# Altium PCB PCB1_wGraphics.PcbDoc (part 2 of 2)
Units mil, origin at the board's own origin, x right, y up, seen from the top; angles counter-clockwise.
Board outline 5095 x 2755 mil, 4 copper layers (Top Layer, Power3V3, GroundGND, Bottom Layer), stack 23.756 mil thick; 96 components, 127 nets, 451 pads, 232 vias.
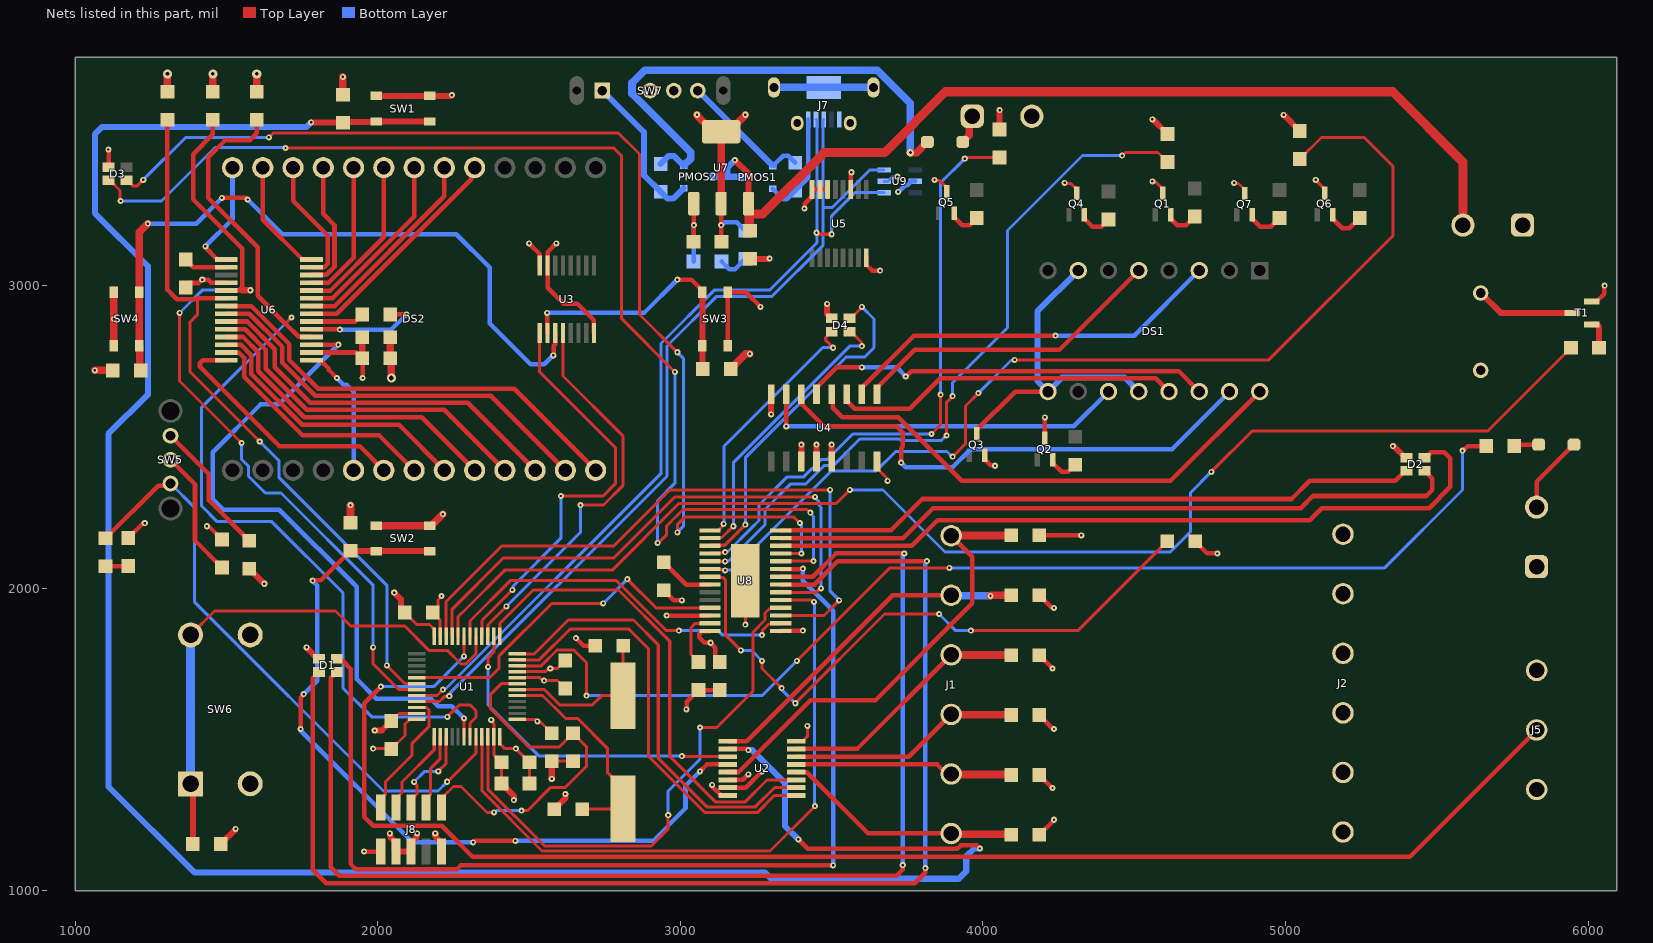
[diagram p4: the nets of this part, all layers, seen from the top]

## Via types
v1: diameter 20, hole 8, Top Layer to Bottom Layer, tented both sides, 222 vias
v2: diameter 160, hole 126, Top Layer to Bottom Layer, 4 vias
v3: diameter 30, hole 12, Top Layer to Bottom Layer, tented both sides, 3 vias
v4: diameter 30, hole 15, Top Layer to Bottom Layer, tented both sides, 1 vias
v5: diameter 20, hole 8, Top Layer to Bottom Layer, 1 vias
v6: diameter 25, hole 10, Top Layer to Bottom Layer, tented both sides, 1 vias

## Nets (pads, with @x,y where several pads share a name; then routed paths per layer and width w, separated by ;. In a path a pad name is that pad's centre, name@x,y a point inside that pad or via, vN(x,y) a via of type N, cw(c..) or ccw(c..) an arc to the next point about the centre after c; other vN are vias at no path point) (continued)
+3V3: C2.2 C3.2 C8.2 C9.2 C10.2 C11.2 C12.2 C13.2 C14.1 C15.2 D1.1 D2.1 D3.1 D4.1 D7.1 D8.1 D9.1 D11.1 D12.1 J5.1 J8.6 LS1.P Q3.2 R1.2 R2.2 R3.2 R4.2 R5.2 R6.2 R7.2 R8.2 R9.2 R10.2 R15.2 R18.2 R19.2 R20.2 R26.1 R27.2 U1.1 U1.9 U1.24 U1.36 U1.48 U2.16 U3.16 U4.3 U4.4 U4.5 U4.16 U5.3 U5.16 U6.2 U7.2 U7.4 U8.26 U8.28 U9.5 | length 4619.8
  Top Layer w10: v1(1985,1470) 2043.74,1470 C12.2@2045,1468.74 2090,1513.74 2090,1551.23 2105.5,1566.73 U1.36@2129,1566.73 ; C15.2@2088.74,1920 2128.74,1880 2171.23,1880 2186.73,1864.5 U1.24@2186.73,1841 ; U1.48@2403.27,1509 2403.27,1485.5 2403.77,1485 2405,1485 2420,1470 v1(2456.26,1470) C10.2@2501.26,1425 C13.2@2501.26,1355 ; U1.1@2461,1566.73 2520.56,1566.73 2529.21,1558.09 2538.17,1558.09 C11.2@2575,1521.26 ; U1.9@2461,1724.21 2553.8,1724.21 2564.59,1735 2593.74,1735 C14.1@2620,1761.26 ; U2.16@3382.99,1494.57 3405.83,1494.57 3408.9,1497.64 3408.9,1499.66 3420,1510.76 v1(3420,1545)
  Top Layer w15: v1(1110,3450) 1110.24,3449.76 1110.24,3391.89 D3.1@1110.47,3391.65 ; U6.2@1781,2779.25 1929.49,2779.25 C3.2@1948.74,2760 1950,2758.74 v1(1950,2695) ; v1(1955,1130) J8.6@2010,1130 ; v1@2500.96,3139.04 2535.43,3104.57 U3.16@2535.43,3066 ; D7.1@2945,1993.74 2977.78,1960.96 3004.04,1960.96 v1(3005,1960) ; v1(2955,1910) 2955.08,1909.92 3097.92,1909.92 U8.26@3098,1909.84 ; U8.28@3098,1858.66 3071,1858.66 3062.55,1850.21 3062.55,1837.45 3080,1820 v1(3100,1820) 3100,1818.65 3114.86,1803.78 3114.86,1771.4 C9.2@3130,1756.26 ; U7.2@3135,3271.3 v1(3135,3200) 3135,3146.26 C8.2@3136.26,3145 ; U5.3@3563.39,3317.99 3563.39,3372.03 3565,3373.65 v1(3565,3375) ; U5.16@3614.57,3092.01 3615.14,3091.44 3615.14,3068.6 3633.74,3050 v1(3660,3050) ; Q3.2@4005.59,2439.5 4005.59,2426.5 4026.13,2405.96 4039.04,2405.96 v1(4040,2405) ; R3.2@4186.26,1185 4235,1233.74 v1(4235,1235) ; R6.2@4186.26,1383 4229.26,1340 v1(4230,1340) ; R5.2@4186.26,1581 4231.3,1535.96 4234.04,1535.96 v1(4235,1535) ; R4.2@4186.26,1779 4230,1735.26 v1(4230,1735) ; R2.2@4186.26,1977 4227.3,1935.96 4234.04,1935.96 v1(4235,1935) ; R1.2@4186.26,2175 v1(4325,2175) ; D8.1@4701.26,2155 4741.26,2115 v5(4775,2115)
  Top Layer w20: R27.2@1481.26,1155 1530,1203.74 v1(1530,1205) ; R15.2@1575,2065 v1(1625,2015) ; v1(1765,1805) 1765,1803.19 1795.79,1772.4 1799.72,1772.4 D1.1@1805.47,1766.65 ; C3.2@1948.74,2760 C2.2@1948.74,2830 ; v1(2054.44,1985.56) 2076.1,1963.9 2076.1,1932.64 C15.2@2088.74,1920 ; v1(3300,2575) U4.16@3300,2641.25 ; U4.3@3400,2418.75 v1(3400,2475) ; U4.4@3450,2418.75 v1(3450,2475) ; v1(3485,2940) 3485,2907.13 3490.79,2901.34 3490.79,2897.4 3496.54,2891.65 D4.1@3500.47,2891.65 ; U4.5@3500,2418.75 v1(3500,2475) ; D12.1@4055,3516.26 v1(4055,3580) ; v1(4560,3550) 4561.26,3550 D11.1@4610,3501.26 ; v1(4994.06,3564.7) D9.1@5047.5,3511.26 ; v1(5355,2470) 5358.19,2470 5396.54,2431.65 D2.1@5400.47,2431.65
  Top Layer w25: v1(1065,2720) R10.2@1123.74,2720 ; R19.2@1305,3641.26 v3(1305,3700) ; R20.2@1455,3641.26 v3(1455,3700) ; R18.2@1600,3641.26 v3(1600,3700) ; R7.2@1885,3631.26 v1(1885,3690) ; R8.2@1910,2216.26 v1(1910,2275) ; v1(3055,3565) 3055,3564.09 3110.39,3508.7 U7.4@3135,3508.7 ; U7.2@3135,3271.3 U7.4@3135,3508.7 ; R9.2@3166.26,2725 3216.26,2775 v1(3230,2775) ; v1(3215,3565) 3215,3564.09 3159.61,3508.7 U7.4@3135,3508.7
  Bottom Layer w15: v1(3135,3200) 3136.29,3200 3146.29,3210 3186.26,3210 R26.1@3215,3181.26 ; v1(3720,3310) 3721.35,3310 3743.52,3332.17 3750.67,3332.17 3763.5,3345 U9.5@3776.25,3345
  other v1: 2527.29,1560 2570,1735 2500,3140
ADC1_CH5_FakeBatt: R31.2 U1.10 | length 3768.2
  Top Layer w10: U1.10@2461,1743.9 2540.3,1743.9 2592.3,1795.9 2647.61,1795.9 2690,1753.51 v1(2690,1645) ; v1(3385,1760) 3692.74,2067.74 v1(3888.89,2067.74)
  Top Layer w15: v1(5585,2455) 5587.71,2455 5602.71,2470 R31.2@5663.74,2470
  Bottom Layer w10: v1(2690,1645) 3270,1645 3330.99,1705.99 v1(3385,1760) ; v1(3888.89,2067.74) 5327.74,2067.74 5585,2325 v1(5585,2455)
Button_Down: R8.1 SW2.1 SW2.2 U2.4 | length 2666.9
  Top Layer w15: v1(1745,1535) 1745,1638.65 1755,1648.65 v1(1755,1650) ; v1(1785,2025) 1785.96,2025.96 1812.22,2025.96 1909.47,2123.21 R8.1@1910.53,2123.21 ; v1(2315,1160) 2316.35,1160 2321.35,1165 v1(2455,1165) ; v1(3065,1395) 3065.37,1395 3088.17,1417.8 U2.4@3157.01,1417.8
  Top Layer w20: R8.1@1910.53,2123.21 1994.18,2123.21 SW2.2@1994.71,2122.68 SW2.1@2171.87,2122.68
  Bottom Layer w15: v1(1745,1535) 1745.96,1534.04 1745.96,1529.4 2115.35,1160 v1(2315,1160) ; v1(1755,1650) 1799.5,1694.5 1799.5,2009.15 1785,2023.65 v1(1785,2025) ; v1(2455,1165) 2909.65,1165 3017.1,1272.45 3017.1,1347.1 v1(3065,1395)
Button_Left: R10.1 SW4.1 SW4.2 U3.3 | length 2298.7
  Top Layer w15: v1(1485,3290) 1563.65,3290 1568.65,3285 v1(1570,3285) ; v1(2580,2770) 2580.96,2770.96 2580.96,2800.96 2586.11,2806.11 2586.11,2843.5 U3.3@2586.61,2844
  Top Layer w25: R10.1@1216.26,2720 1213.82,2722.44 1213.82,2799.92 SW4.2@1212.32,2801.42 SW4.1@1212.32,2978.58 1212.32,3177.32 v1(1240,3205)
  Bottom Layer w15: v1(1240,3205) 1400,3205 v1(1485,3290) ; v1(1570,3285) 1685,3170 2260,3170 2370,3060 2370,2875 2505,2740 2550,2740 v1(2580,2770)
Button_Right: R9.1 SW3.1 SW3.2 U3.2 | length 899.1
  Top Layer w15: v1(2560,2910) 2560.52,2909.48 2560.52,2844.5 U3.2@2561.02,2844 ; v1(2990,3020) 3036.76,3020 3072.68,2984.08 SW3.2@3072.68,2978.58
  Top Layer w20: SW3.2@3072.68,2978.58 SW3.1@3072.68,2801.42 3073.21,2800.89 3073.21,2725.53 R9.1@3073.74,2725
  Bottom Layer w15: v1(2560,2910) 2880,2910 v1(2990,3020)
Button_Up: R7.1 SW1.1 SW1.2 U2.2 | length 7545.4
  Top Layer w15: U2.2@3157.01,1468.98 3219.67,1468.98 3223.65,1465 v1(3225,1465) ; v1(3390,1170) 3420.55,1139.45 3915.71,1139.45 3926.26,1150 3980,1150 v1(3990,1140)
  Top Layer w20: v1(1780,3540) 1781.26,3538.74 R7.1@1885,3538.74 1886.97,3540.71 1992.74,3540.71 SW1.2@1994.71,3542.68 SW1.1@2171.87,3542.68
  Bottom Layer w20: v1(1780,3540) 1765,3525 1090,3525 1065,3500 1065,3240 1240,3065 1240,2640 1110,2510 1110,1345 1395,1060 3280,1060 3300,1040 3920,1040 3945,1065 3945,1114.29 3970.71,1140 v1(3990,1140) ; v1(3225,1465) 3238.18,1465 3345.59,1357.59 3345.59,1214.41 v1(3390,1170)
Countdown_LED_B: D4.2 U8.17 | length 1151.7
  Top Layer w10: U8.17@3098,2140.16 3100,2142.16 3146.49,2142.16 3214.41,2210.08 v1(3214.92,2210.08) ; D4.2@3559.53,2891.65 3563.46,2891.65 3600,2928.19 v1(3600,2930)
  Bottom Layer w10: v1(3214.92,2210.08) 3214.92,2431.04 3548.89,2765 3610,2765 3640,2795 3640,2890 v1(3600,2930)
Countdown_LED_G: D4.3 U8.16 | length 955.2
  Top Layer w10: U8.16@3098,2165.75 3100,2167.75 3137.75,2167.75 v1(3175,2205) ; D4.3@3559.53,2848.35 3563.46,2848.35 3598.09,2813.72 3598.09,2801.91 v1(3600,2800)
  Bottom Layer w10: v1(3175,2205) 3175,2415.15 3559.85,2800 v1(3600,2800)
Countdown_LED_R: D4.4 U8.15 | length 883.5
  Top Layer w10: U8.15@3098,2191.34 3126,2191.34 3141.17,2206.51 3141.17,2211.09 v1(3143.09,2213) ; D4.4@3500.47,2848.35 3496.54,2848.35 3485.79,2837.6 3485.79,2833.66 3480.21,2828.08 3480.21,2819.79 v1(3505,2795)
  Bottom Layer w10: v1(3143.09,2213) 3145,2214.91 3145,2470 3470,2795 v1(3505,2795)
Dramatic_LED1: D8.2 U8.21 | length 2074.6
  Top Layer w10: U8.21@3098,2037.8 3099.46,2036.33 3139.75,2036.33 3150,2026.09 3150,1845 v1(3200,1795) ; v1(3270,1760) 3270,1735 v1(3335,1670) ; v1(3380,1620) 3675,1915 v1(3855,1915) ; v1(3960,1860) 4313.74,1860 D8.2@4608.74,2155
  Bottom Layer w10: v1(3200,1795) 3235,1795 v1(3270,1760) ; v1(3335,1670) 3336.91,1668.09 3336.91,1663.09 v1(3380,1620) ; v1(3855,1915) 3910,1860 v1(3960,1860)
Dramatic_LED2: D7.2 U8.22 | length 183.7
  Top Layer w15: D7.2@2945,2086.26 3019.06,2012.2 U8.22@3098,2012.2
GND: C1.1 C2.1 C3.1 C4.1 C5.2 C6.2 C7.1 C8.1 C9.1 C10.1 C11.1 C12.1 C13.1 C14.2 C15.1 D10.2 J2.1 J2.2 J2.3 J2.4 J2.5 J2.6 J3.2 J4.1 J5.3 J6.1 J7.1 J7.6 J7.7 J7.8 J7.9 J7.10 J8.7 J8.8 J8.10 Q1.3 Q2.3 Q4.3 Q5.3 Q6.3 Q7.3 R21.2 R22.1 R23.1 R25.2 SW1.3 SW1.4 SW2.3 SW2.4 SW3.3 SW3.4 SW4.3 SW4.4 SW6.3 SW6.4 SW7.2 SW7.3 T1.2 U1.8 U1.23 U1.35 U1.47 U2.6 U2.7 U2.8 U3.8 U3.15 U4.8 U5.6 U5.7 U5.8 U6.5 U6.18 U7.1 U8.1 U8.29 U9.2 | length 5493
  Top Layer w10: C12.1@2045,1561.26 2070.16,1586.42 U1.35@2129,1586.42 ; U1.23@2206.42,1841 2206.42,1894.84 C15.1@2181.26,1920 2198.9,1937.64 2198.9,1961.04 2210.56,1972.7 v1(2210.56,1974.44) ; v1(2375,1565) 2375,1562.29 2383.58,1553.71 2383.58,1450.16 C10.1@2408.74,1425 C13.1@2408.74,1355 ; U1.8@2461,1704.53 2535.06,1704.53 2544.59,1695 2593.74,1695 C14.2@2620,1668.74 ; C11.1@2575,1428.74 C1.1@2645,1428.74 ; v1(3215,1880) U8.29@3215,2025 ; U4.8@3650,2418.75 3650,2397 3683.09,2363.91 3683.09,2356.91 v1(3685,2355) ; v1(3840,3350) 3841.91,3348.09 3855.41,3348.09 3880,3323.5 Q5.3@3880,3310.5 ; v1(4270,3340) 4271.91,3338.09 4290.41,3338.09 4310,3318.5 Q4.3@4310,3305.5 ; v1(4560,3345) 4561.91,3343.09 4570.41,3343.09 4595,3318.5 Q1.3@4595,3305.5 ; v1(4830,3340) 4831.91,3338.09 4844.91,3338.09 4865,3318 Q7.3@4865,3305 ; v1(5100,3350) 5100,3348.5 5130,3318.5 Q6.3@5130,3305.5
  Top Layer w15: R22.1@1175,2166.26 1222.78,2214.04 1229.04,2214.04 v1(1230,2215) ; C6.2@1365,2993.74 1380.14,3008.88 1407.53,3008.88 1418.65,3020 v1(1420,3020) 1440,3020 1449.93,3010.07 1498.5,3010.07 U6.18@1499,3009.57 ; v1(1435,2205) 1435.96,2204.04 1442.22,2204.04 R21.2@1485,2161.26 ; U6.5@1781,2856.02 1781.5,2855.52 1874.48,2855.52 v1(1875,2855) ; R23.1@2041.26,2905 v1(2095,2905) ; v1(2590,3140) 2561.52,3111.52 2561.52,3066.5 U3.15@2561.02,3066 2561.52,3065.5 2561.52,2993.48 2615,2940 2660,2940 2714.57,2885.43 U3.8@2714.57,2844 ; v1(2655,1835) 2680,1810 C5.2@2718.74,1810 ; v1(3020,1600) 3020.96,1600.96 3020.96,1624.7 R25.2@3060,1663.74 C9.1@3130,1663.74 ; C8.1@3043.74,3145 3045,3146.26 v1(3045,3200) 3044.72,3200.28 3044.72,3271.02 U7.1@3044.45,3271.3 ; v1(3105,1350) 3105.96,1349.04 3105.96,1343.65 3134.17,1315.43 U2.8@3157.01,1315.43 ; U2.7@3157.01,1341.02 3216.02,1341.02 v1(3270,1395) ; U2.6@3157.01,1366.61 3206.61,1366.61 v1(3225,1385) ; SW3.3@3157.32,2801.42 SW3.4@3157.32,2978.58 3216.42,2978.58 v1(3265,2930) ; U8.1@3332,1858.66 3332.5,1859.16 3404.16,1859.16 v1(3405,1860) ; v1(3410,3255) 3410.96,3255.96 3410.96,3270.68 3435.43,3295.16 U5.8@3435.43,3317.99 U5.7@3461.02,3317.99 U5.6@3486.61,3317.99 ; Q2.3@4205,2495.5 v1(4205,2565) ; T1.2@6012.5,2947.75 6028,2947.75 6054.04,2973.79 6054.04,2999.04 v1(6055,3000)
  Top Layer w20: v1(1990,1530) 2013.74,1530 C12.1@2045,1561.26 ; SW1.4@1994.71,3627.32 2242.32,3627.32 v1(2245,3630) ; v1(2040,1190) 2040,1182.54 2042,1180.54 2042,1176.5 2055,1163.5 2055,1135 J8.7@2060,1130 J8.8@2110,1130 2115,1135 2115,1163.5 2128,1176.5 2128,1180.54 2130,1182.54 v1(2130,1190) ; v1(2190,1190) 2190,1182.54 2192,1180.54 2192,1176.5 2205,1163.5 2205,1135 J8.10@2210,1130 ; C13.1@2408.74,1355 2450,1313.74 v1(2450,1300) ; v1(2575,1370) C11.1@2575,1428.74 ; C4.1@2583.74,1270 2620,1306.26 v1(2620,1320) ; C7.1@3230,3088.74 3293.74,3088.74 v1(3295,3090)
  Top Layer w25: SW4.4@1127.68,2801.42 v1(1127.68,2890) SW4.3@1127.68,2978.58 SW4.3@1127.68,2984.08 ; SW2.4@1994.71,2207.32 SW2.3@2171.87,2207.32 2177.37,2207.32 2215,2244.95 v1(2215,2245) ; C2.1@2041.26,2830 C3.1@2041.26,2760 2044.04,2757.22 2044.04,2695.96 v4(2045,2695)
  Bottom Layer w10: U9.2@3673.75,3345 3686.5,3345 3701.5,3360 v1(3717.29,3360)
  Bottom Layer w15: v1(1875,2855) 2045,2855 v1(2095,2905) ; D10.2@3043.74,3080 3045,3081.26 v1(3045,3200)
  Bottom Layer w25: J7.8@3309.45,3655.32 J7.10@3473.82,3655.32 J7.9@3638.19,3655.32
  other v1: 2550,1695
LEDDriver_BLANK: U1.18 U8.2 | length 1232.9
  Top Layer w10: U1.18@2304.84,1841 2304.84,1892.14 2437.71,2025 2540,2025 2789.04,2025 2954.04,1860 v1(2995,1860) ; v1(3270,1845) 3271.91,1846.91 3271.91,1861.91 3292.25,1882.25 3330,1882.25 U8.2@3332,1884.25
  Bottom Layer w10: v1(2995,1860) 3125,1860 3140,1845 v1(3270,1845)
LEDDriver_GSCLK: U1.29 U8.25 | length 1166.5
  Top Layer w10: U1.29@2129,1704.53 2369.53,1704.53 2400,1735 2400,1775.15 2574.85,1950 v1(2745,1950) ; v1(2825,2030) 2919.57,1935.43 U8.25@3098,1935.43
  Bottom Layer w10: v1(2745,1950) v1(2825,2030)
LEDDriver_MODE: U1.21 U8.6 | length 1891.6
  Top Layer w10: U1.21@2245.79,1841 2245.79,1930.79 2415,2100 2595,2100 2780,2100 2982,2302 v1(3445,2302) ; U8.6@3332,1986.61 3448.91,1986.61 3462.29,2000 v1(3465,2000)
  Bottom Layer w10: v1(3445,2302) 3445,2299.29 3459,2285.29 3459,2273.57 3465,2267.57 v1(3465,2000)
LEDDriver_SCLK: U1.46 U8.4 | length 1807.2
  Top Layer w10: U1.46@2363.9,1509 2363.9,1336.18 2551.58,1148.5 2903.5,1148.5 2960,1205 v1(2960,1250) ; v1(3065,1540) 3120,1540 3240,1660 3240,1855 3280,1895 3280,1918.23 3295.21,1933.43 3330,1933.43 U8.4@3332,1935.43
  Bottom Layer w10: v1(2960,1250) 2960,1330 3065,1435 v1(3065,1540)
LEDDriver_SIN: U1.45 U8.5 | length 2211.7
  Top Layer w10: U1.45@2344.21,1509 2344.21,1330.41 2543.12,1131.5 3296.5,1131.5 v1(3445,1280) ; U8.5@3332,1961.02 3432.8,1961.02 3439,1954.82 v1(3441.71,1954.82)
  Bottom Layer w10: v1(3441.71,1954.82) 3443.35,1953.18 3443.35,1281.65 v1(3445,1280)
LEDDriver_XLAT: U1.22 U8.3 | length 2128
  Top Layer w10: U1.22@2226.1,1841 2226.1,1956.1 2410,2140 2645,2140 2780,2140 2965,2325 v1(3495,2325) ; U8.3@3332,1909.84 3474.84,1909.84 v1(3525,1960)
  Bottom Layer w10: v1(3495,2325) 3495,1990 v1(3525,1960)
LPTIM1_Buzzer: R28.1 U1.20 | length 4356.7
  Top Layer w10: U1.20@2265.47,1841 2265.47,1905.47 2295,1935 2420,2060 2540,2060 2775,2060 2995,2280 3515,2280 v1(3560,2325) ; v1(4755,2385) 4890,2520 5668.74,2520 R28.1@5943.74,2795
  Bottom Layer w10: v1(3560,2325) 3670,2325 3875,2120 4619.14,2120 4686.11,2186.97 4686.11,2316.11 v1(4755,2385)
Matrix_LED_G: D3.3 U8.11 | length 3743.3
  Top Layer w10: D3.3@1169.53,3348.35 1173.46,3348.35 1184.21,3337.6 1184.21,3335.86 1190.07,3330 1205,3330 v1(1225,3350) ; v1(1640,3490) 1654.1,3504.1 1912.61,3504.1 1913.51,3505 2795,3505 2865,3435 2865,2905 v1(2990,2780) ; v1(2990,2185) 2990,2210 3015,2235 3375.84,2235 v1(3395,2215.84) ; U8.11@3332,2114.57 3332.22,2114.78 3399.78,2114.78 v1(3400,2115)
  Bottom Layer w10: v1(1225,3350) 1365,3490 v1(1640,3490) ; v1(2990,2185) 3010,2205 3010,2760 v1(2990,2780) ; v1(3395,2215.84) 3395,2213.14 3400,2208.14 v1(3400,2115)
Matrix_LED_R: D3.4 U8.10 | length 4047.5
  Top Layer w10: D3.4@1110.47,3348.35 1114.41,3348.35 1148.09,3314.67 1148.09,3281.91 v1(1150,3280) ; v1(1695,3455) 2780,3455 2805,3430 2805,2892 v1(2982,2715) ; v1(2925,2150) 2927.71,2150 2955,2177.29 2955,2206.11 2985.89,2237 2986.04,2237 3009.04,2260 3419.14,2260 3429.14,2250 v1(3430,2250) ; U8.10@3332,2088.98 3332.51,2089.49 3439.49,2089.49 v1(3440,2090)
  Bottom Layer w10: v1(1150,3280) 1285,3280 1461.91,3456.91 1693.09,3456.91 v1(1695,3455) ; v1(2925,2150) 2925,2290 2982,2347 v1(2982,2715) ; v1(3430,2250) 3430,2247.29 3440,2237.29 v1(3440,2090)
MatrixDrvr_I2C1_SCL: R19.1 U1.30 U6.20 | length 2386.6
  Top Layer w10: 1403.86,2958.39 1403.86,2903.86 1380,2880 1380,2715 v1(1610,2485) ; v1(2030,1745) 2089.66,1685.34 2128.5,1685.34 U1.30@2129,1684.84
  Top Layer w15: R19.1@1305,3548.74 1305,2986.54 1335.94,2955.6 1401.08,2955.6 1403.86,2958.39 U6.20@1499,2958.39
  Bottom Layer w10: v1(1610,2485) 1673,2422 1673,2367 2030,2010 v1(2030,1745)
MatrixDrvr_I2C1_SDA: R20.1 U1.31 U6.19 | length 2638.6
  Top Layer w10: v1(1345,2910) 1345,2685 v1(1550,2480) ; 1546.66,2989.81 1551.48,2985 ; v1(1985,1805) 1985,1750 2069.34,1665.66 2128.5,1665.66 U1.31@2129,1665.16
  Top Layer w15: R20.1@1455,3548.74 1455,3500 1390,3435 1390,3285 1552,3123 1552,2995.15 1546.66,2989.81 1541.33,2984.48 1499.5,2984.48 U6.19@1499,2983.98
  Top Layer w20: 1551.48,2985 v1(1578.79,2985)
  Bottom Layer w10: v1(1345,2910) 1420,2985 v1(1578.79,2985) ; v1(1550,2480) 1550,2426.47 1573,2403.47 1573,2370.53 1628.53,2315 1680,2315 1985,2010 v1(1985,1805)
MatrixDrvr_INTB: R18.1 U1.43 U6.4 | length 3275.1
  Top Layer w10: 1700,2869.6 1700,2880 v1(1715,2895) ; v1(2230,1575) 2270,1615 2305,1615 2325,1595 2325,1574.08 2304.84,1553.92 U1.43@2304.84,1509
  Top Layer w15: R18.1@1600,3548.74 1600,3503.6 1576.4,3480 1495,3480 1440,3425 1440,3290 1603.29,3126.71 1603.29,2966.31 1694.8,2874.8 1700,2869.6 1738.67,2830.93 1780.5,2830.93 U6.4@1781,2830.43
  Bottom Layer w10: v1(1715,2895) 1418,2598 1418,2272 1470,2220 1650,2220 1885,1985 1885,1670 1980,1575 v1(2230,1575)
MatrixDrvr_SDB: U1.42 U6.3 | length 2176.1
  Top Layer w10: v1(2285,1570) 2285.08,1569.92 2285.08,1509.08 U1.42@2285.16,1509
  Top Layer w15: U6.3@1781,2804.84 1781.08,2804.92 1869.92,2804.92 v1(1870,2805)
  Bottom Layer w15: v1(1870,2805) 1672.48,2607.48 1612.48,2607.48 1455,2450 1455,2295 1490,2260 1675,2260 1930,2005 1930,1700 1995,1635 2175,1635 2200,1610 2245,1610 v1(2285,1570)
MCU_BOOT0: R24.2 SW5.1 U1.44 | length 2009.5
  Top Layer w10: v1(2229.44,1360.56) 2230.56,1360.56 2324.53,1454.53 U1.44@2324.53,1509
  Top Layer w15: R24.2@1100,2165 1274.18,2339.18 1307.92,2339.18 SW5.1@1315,2346.26
  Bottom Layer w10: SW5.1@1315,2346.26 1395,2266.26 1395,1954.06 2019.06,1330 2198.89,1330 v1(2229.44,1360.56)
MCU_Expan: J5.2 U1.19 | length 4939.1
  Top Layer w10: v1(2285,1775) 2285.08,1775.08 2285.08,1840.92 U1.19@2285.16,1841
  Top Layer w15: v1(2010,1675) 1955.5,1620.5 1955.5,1244.09 1984.59,1215 2211.08,1215 2314.08,1112 5410.15,1112 J5.2@5830,1531.85
  Bottom Layer w10: v1(2010,1675) 2185,1675 v1(2285,1775)
MCU_HSE_IN: C4.2 U1.5 X1.1 | length 725.5
  Top Layer w10: U1.5@2461,1645.47 2544.71,1645.47 2620.19,1570 2659.92,1570 2760,1469.92 2760,1389.88 2810,1339.88 X1.1@2810,1270.98 2809.02,1270 C4.2@2676.26,1270
MCU_HSE_OUT: C5.1 U1.6 X1.2 | length 547.7
  Top Layer w10: U1.6@2461,1665.16 2550.48,1665.16 2600.64,1615 2710,1615 2740,1645 X1.2@2810,1645 2811.26,1646.26 C5.1@2811.26,1810
MCU_JTDI: J8.4 U1.38 | length 252.6
  Top Layer w10: J8.4@2160,1275.67 2160,1304.17 2175,1319.17 2175,1405 2206.42,1436.42 U1.38@2206.42,1509
MCU_NRST: C1.2 J8.5 U1.7 | length 1246.9
  Top Layer w10: J8.5@2210,1275.67 2220,1285.67 2220,1315 2250,1345 2275,1345 2360.74,1259.26 v1(2384.26,1259.26) ; U1.7@2461,1684.84 2408.32,1684.84 2373,1649.53 2373,1601.85 2499.85,1475 2598.74,1475 C1.2@2645,1521.26 2690,1476.26 2690,1411.49 2620.51,1342 2572,1342 2495,1265 v1(2475,1265)
  Bottom Layer w10: v1(2384.26,1259.26) 2386.96,1259.26 2392.71,1265 v1(2475,1265)
MCU_SWD_CLK: J8.2 U1.37 | length 285.8
  Top Layer w10: J8.2@2060,1275.67 2070,1285.67 2070,1315 2080,1325 2080,1360 2186.73,1466.73 U1.37@2186.73,1509
MCU_SWD_IO: J8.1 U1.34 | length 432.3
  Top Layer w10: J8.1@2010,1275.67 2010,1304.17 2025,1319.17 2025,1360 2112.5,1447.5 2112.5,1486.24 2170,1543.74 2170,1596.89 2161.29,1605.6 2129.5,1605.6 U1.34@2129,1606.1
MCU_SWD_SWO: J8.3 U1.39 | length 318.5
  Top Layer w10: J8.3@2110,1275.67 2110,1304.17 2120,1314.17 2124.14,1314.17 2130,1320.03 2130,1349.14 2120,1359.14 v1(2120,1360) ; v1(2200,1395) 2226.1,1421.1 U1.39@2226.1,1509
  Bottom Layer w10: v1(2120,1360) 2155,1395 v1(2200,1395)
MCU_USB_D+: J7.3 U1.33 U9.3 | length 2894.6
  Top Layer w10: U1.33@2129,1625.79 2152.84,1625.79 2153,1625.94 2203.78,1625.94 2219.71,1641.87 2234.3,1641.87 v1(2236.21,1643.79)
  Bottom Layer w10: v1(2236.21,1643.79) 2238.13,1645.7 2238.13,1652.77 2956,2370.64 2956,2801 3120,2965 3303.28,2965 3472,3133.72 3472,3258.86 ; J7.3@3473.82,3550 3471.02,3547.2 3471.02,3351.97 3472,3351 3472,3258.86 ; U9.3@3673.75,3382.4 3626.27,3382.4 3502.73,3258.86 3472,3258.86
MCU_USB_D-: J7.4 U1.32 U9.1 | length 2924
  Top Layer w10: U1.32@2129,1645.47 2129.16,1645.63 2195.63,1645.63 v1(2215,1665) ; v1(3450,3175) 3452.71,3175 3457.71,3170 v1(3500,3170)
  Bottom Layer w10: v1(2215,1665) 2216.91,1666.91 2223.98,1666.91 2937,2379.93 2936,2380.93 2936,2809.28 3111.72,2985 3295,2985 3452,3142 3452,3175 3452,3342.71 3451.02,3343.69 3451.02,3547.2 J7.4@3448.23,3550 ; v1(3500,3170) 3500,3231.11 3576.49,3307.6 U9.1@3673.75,3307.6
NetC6_1: C6.1 U6.16 | length 144.6
  Top Layer w15: C6.1@1365,3086.26 1390.51,3060.75 U6.16@1499,3060.75
NetD5_2: D5.2 J3.1 | length 98.5
  Top Layer w25: D5.2@3933.46,3475 3934.25,3475 3942.03,3482.78 3942.03,3484.45 3955,3497.42 3955,3550 J3.1@3965,3560
NetD6_1: D6.1 J4.2 | length 257.5
  Top Layer w15: J4.2@5829.69,2268.42 5829.69,2352.01 D6.1@5952.68,2475
NetD6_2: D6.2 R31.1 | length 82.3
  Top Layer w15: R31.1@5756.26,2470 5761.26,2475 D6.2@5836.54,2475
NetD10_1: D10.1 R26.2 | length 103.6
  Bottom Layer w15: D10.1@3136.26,3080 3161.92,3054.34 3180.6,3054.34 R26.2@3215,3088.74
NetDS1_3: DS1.3 U4.10 | length 1297.1
  Top Layer w15: U4.10@3600,2641.25 3600,2663 3772,2835 v1(4240,2835)
  Bottom Layer w15: v1(4240,2835) 4500,2835 DS1.3@4715,3050
NetDS1_5: DS1.5 U4.9 | length 1047.1
  Top Layer w15: U4.9@3650,2641.25 3650,2663 3775,2788 4253,2788 DS1.5@4515,3050
NetDS1_7: DS1.7 DS1.9 DS1.12 Q3.3 | length 1109.5
  Top Layer w15: Q3.3@3980,2510.5 3980,2523.5 4106.5,2650 DS1.9@4215,2650
  Bottom Layer w20: DS1.7@4315,3050 4180,2915 4180,2685 DS1.9@4215,2650 4261.7,2696.7 4468.3,2696.7 DS1.12@4515,2650
NetDS1_11: DS1.11 U4.15 | length 1218.9
  Top Layer w15: v1(3350,2535) U4.15@3350,2641.25
  Bottom Layer w15: v1(3350,2535) 4300,2535 DS1.11@4415,2650
NetDS1_13: DS1.13 U4.11 | length 1158
  Top Layer w15: U4.11@3550,2641.25 3550,2619.5 3576.5,2593 3758,2593 3859.2,2694.2 4570.8,2694.2 DS1.13@4615,2650
NetDS1_14: DS1.14 U4.13 | length 1361.9
  Top Layer w15: U4.13@3450,2641.25 3450,2663 3517,2730 v1(3600,2730) ; v1(3745,2700) 3746.35,2700 3763.55,2717.2 4647.8,2717.2 DS1.14@4715,2650
  Bottom Layer w15: v1(3600,2730) 3715,2730 v1(3745,2700)
NetDS1_15: DS1.15 U4.14 | length 1702.4
  Top Layer w15: U4.14@3400,2641.25 3403.5,2637.75 3403.5,2606.5 3475,2535 3715,2535 3735,2515 3735,2468.18 3730,2463.18 v1(3730,2415)
  Bottom Layer w15: v1(3730,2415) 3745,2400 3899.65,2400 3959.65,2460 4625,2460 DS1.15@4815,2650
NetDS1_16: DS1.16 U4.12 | length 1679.9
  Top Layer w15: U4.12@3500,2641.25 3503.5,2637.75 3503.5,2596.5 3535,2565 3720,2565 3930,2355 4620,2355 DS1.16@4915,2650
NetDS2_1: DS2.1 U6.21 | length 1476.7
  Top Layer w15: U6.21@1499,2932.8 1582.45,2932.8 1708,2807.24 1708,2754.53 1803.53,2659 2451,2659 DS2.1@2720,2390
NetDS2_2: DS2.2 U6.22 | length 1366.1
  Top Layer w15: U6.22@1499,2907.2 1575.51,2907.2 1685,2797.72 1685,2745 1794,2636 2374,2636 DS2.2@2620,2390
NetDS2_3: DS2.3 U6.23 | length 1259.9
  Top Layer w15: U6.23@1499,2881.61 1568.58,2881.61 1660,2790.19 1660,2730 1777,2613 2297,2613 DS2.3@2520,2390
NetDS2_4: DS2.4 U6.24 | length 1150.7
  Top Layer w15: U6.24@1499,2856.02 1561.64,2856.02 1630,2787.66 1630,2725 1765,2590 2220,2590 DS2.4@2420,2390
NetDS2_5: DS2.5 U6.25 | length 1040.1
  Top Layer w15: U6.25@1499,2830.43 1554.7,2830.43 1605,2780.14 1605,2717.47 1757.47,2565 2145,2565 DS2.5@2320,2390
NetDS2_6: DS2.6 U6.26 | length 929.5
  Top Layer w15: U6.26@1499,2804.84 1499.5,2804.34 1548.27,2804.34 1582,2770.61 1582,2707.95 1749.95,2540 2070,2540 DS2.6@2220,2390
NetDS2_7: DS2.7 U6.27 | length 818.9
  Top Layer w15: U6.27@1499,2779.25 1499.5,2778.75 1541.33,2778.75 1559,2761.08 1559,2698.42 1752.42,2505 2005,2505 DS2.7@2120,2390
NetDS2_8: DS2.8 U6.28 | length 851.8
  Top Layer w15: U6.28@1499,2753.66 1421.34,2753.66 1412.55,2744.87 1412.55,2732.45 1675,2470 1940,2470 DS2.8@2020,2390
NetDS2_9: DS2.9 U6.1 | length 444.4
  Top Layer w15: U6.1@1781,2753.66 1810.5,2753.66 1838.8,2725.36 1838.8,2721.2 v1(1865,2695)
  Bottom Layer w15: v1(1865,2695) 1887.98,2672.02 1897.98,2672.02 1920,2650 DS2.9@1920,2390
NetDS2_18: DS2.18 U6.7 | length 754.9
  Top Layer w15: U6.7@1781,2907.2 1864.45,2907.2 2309.48,3352.23 2309.48,3379.48 DS2.18@2320,3390
NetDS2_19: DS2.19 U6.8 | length 683.9
  Top Layer w15: U6.8@1781,2932.8 1857.51,2932.8 2220,3295.28 DS2.19@2220,3390
NetDS2_20: DS2.20 U6.9 | length 612.8
  Top Layer w15: U6.9@1781,2958.39 1850.58,2958.39 2120,3227.81 DS2.20@2120,3390
NetDS2_21: DS2.21 U6.10 | length 541.7
  Top Layer w15: U6.10@1781,2983.98 1843.64,2983.98 2020,3160.34 DS2.21@2020,3390
NetDS2_22: DS2.22 U6.11 | length 470.6
  Top Layer w15: U6.11@1781,3009.57 1781.5,3010.07 1837.2,3010.07 1920,3092.86 DS2.22@1920,3390
NetDS2_23: DS2.23 U6.12 | length 430.2
  Top Layer w15: U6.12@1781,3035.16 1781.5,3035.66 1830.27,3035.66 1857,3062.39 1857,3200.25 1820,3237.25 DS2.23@1820,3390
NetDS2_24: DS2.24 U6.13 | length 422.9
  Top Layer w15: DS2.24@1720,3390 1720,3280.52 1834,3166.52 1834,3071.92 1823.33,3061.25 1781.5,3061.25 U6.13@1781,3060.75
NetDS2_25: DS2.25 U6.14 | length 387.6
  Top Layer w15: DS2.25@1620,3390 1620,3217.84 1751.5,3086.34 U6.14@1781,3086.34
NetDS2_26: DS2.26 U6.15 | length 386.8
  Top Layer w15: v1(1430,3130) 1430.96,3129.04 1430.96,3124.88 1469.5,3086.34 U6.15@1499,3086.34
  Bottom Layer w15: v1(1430,3130) 1520,3220 DS2.26@1520,3390
NetJ1_1: J1.1 R3.1 U2.12 | length 796.6
  Top Layer w15: U2.12@3382.99,1392.2 3383.56,1391.63 3418.37,1391.63 3620,1190 3894.45,1190 J1.1@3895,1189.45
  Top Layer w25: J1.1@3895,1189.45 3897.22,1187.22 4091.52,1187.22 R3.1@4093.74,1185
NetJ1_2: J1.2 R6.1 U2.13 | length 725.2
  Top Layer w15: U2.13@3382.99,1417.8 3848.35,1417.8 3879.85,1386.3 J1.2@3895,1386.3
  Top Layer w25: J1.2@3895,1386.3 3896.65,1384.65 4092.09,1384.65 R6.1@4093.74,1383
NetJ1_3: J1.3 R5.1 U2.14 | length 769.5
  Top Layer w15: U2.14@3382.99,1443.39 3755.24,1443.39 J1.3@3895,1583.15
  Top Layer w25: J1.3@3895,1583.15 3896.07,1582.07 4092.67,1582.07 R5.1@4093.74,1581
NetJ1_4: J1.4 R4.1 U2.15 | length 840
  Top Layer w15: U2.15@3382.99,1468.98 3583.98,1468.98 J1.4@3895,1780
  Top Layer w25: J1.4@3895,1780 3895.5,1779.5 4093.24,1779.5 R4.1@4093.74,1779
NetJ1_5: J1.5 R2.1 U2.1 | length 1138.1
  Top Layer w15: U2.1@3157.01,1494.57 3219.57,1494.57 3701.85,1976.85 J1.5@3895,1976.85
  Top Layer w25: v1(4025,1975) 4027,1977 R2.1@4093.74,1977
  Bottom Layer w25: J1.5@3895,1976.85 3896.85,1975 v1(4025,1975)
NetJ1_6: J1.6 R1.1 U2.5 | length 1491
  Top Layer w15: U2.5@3157.01,1392.2 3157.58,1392.78 3192.78,1392.78 3430,1630 3645,1630 3965,1950 3965,2103.7 J1.6@3895,2173.7
  Top Layer w25: J1.6@3895,2173.7 3895.65,2174.35 4093.09,2174.35 R1.1@4093.74,2175
NetLS1_N: LS1.N T1.3 | length 329.8
  Top Layer w20: LS1.N@5645,2975.91 5710.91,2910 T1.3@5947.5,2910
NetPMOS1_1: PMOS1.1 R29.2 SW7.4 | length 448.1
  Bottom Layer w15: PMOS1.1@3309.5,3398.5 3309.5,3399.5 3340,3430 3356.26,3430 R29.2@3380,3406.26
  Bottom Layer w20: SW7.4@3057.48,3645 3303.98,3398.5 PMOS1.1@3309.5,3398.5
NetPMOS2_1: PMOS2.1 R30.2 SW7.1 | length 515.2
  Bottom Layer w20: SW7.1@2742.52,3645 2880,3507.52 2880,3365 R30.2@2935,3310 2957.48,3287.52 2975.92,3287.52 3009,3320.6 3009,3321.6 3010,3322.6 PMOS2.1@3011,3322.6
NetQ1_2: Q1.2 R11.1 | length 113.2
  Top Layer w15: Q1.2@4620.59,3234.5 4620.59,3221.5 4622.09,3220 4642.09,3200 4671.26,3200 R11.1@4700,3228.74
NetQ2_2: Q2.2 R12.1 | length 108.2
  Top Layer w15: Q2.2@4230.59,2424.5 4230.59,2411.5 4232.09,2410 4235,2410 4260,2385 4281.26,2385 R12.1@4305,2408.74
NetQ4_2: Q4.2 R13.1 | length 113.2
  Top Layer w15: Q4.2@4335.59,3234.5 4335.59,3221.5 4362.09,3195 4391.26,3195 R13.1@4415,3218.74
NetQ5_2: Q5.2 R14.1 | length 108.2
  Top Layer w15: Q5.2@3905.59,3239.5 3905.59,3226.5 3932.09,3200 3956.26,3200 R14.1@3980,3223.74
NetQ6_2: Q6.2 R16.1 | length 129.4
  Top Layer w15: Q6.2@5155.59,3234.5 5155.59,3221.5 5187.09,3190 5211.26,3190 R16.1@5245,3223.74
NetQ7_2: Q7.2 R17.1 | length 125.1
  Top Layer w15: Q7.2@4890.59,3234 4890.59,3221 4916.59,3195 4951.26,3195 R17.1@4980,3223.74
NetR15_1: R15.1 SW5.3 | length 453.9
  Top Layer w15: SW5.3@1315,2503.74 1440.97,2377.77 1440.97,2291.55 R15.1@1575,2157.52
NetR21_1: R21.1 SW5.2 | length 426.7
  Top Layer w15: SW5.2@1315,2425 1395.97,2344.03 1395.97,2157.77 R21.1@1485,2068.74
NetR22_2: R22.2 R24.1 | length 75.5
  Top Layer w15: R24.1@1100,2072.48 1173.74,2072.48 R22.2@1175,2073.74
NetR23_2: R23.2 U6.6 | length 177.4
  Top Layer w15: U6.6@1781,2881.61 1925.35,2881.61 R23.2@1948.74,2905
NetR25_1: R25.1 U8.27 | length 193
  Top Layer w10: R25.1@3060,1756.26 3035,1781.26 3035,1870 3049.25,1884.25 U8.27@3098,1884.25
NetR28_2: R28.2 T1.1 | length 96.2
  Top Layer w20: T1.1@6012.5,2872.25 6028,2872.25 6036.26,2863.99 R28.2@6036.26,2795
RedButton: R27.1 SW6.1 SW6.2 U1.17 | length 1813.6
  Top Layer w10: SW6.2@1381.57,1846.06 1460.51,1925 1860.52,1925 1910.52,1875 2088.74,1875 2168.74,1795 2230,1795 2275,1750 2291.11,1750 2324.53,1783.41 U1.17@2324.53,1841
  Top Layer w20: SW6.1@1381.57,1353.94 1388.74,1346.77 R27.1@1388.74,1155
  Bottom Layer w30: SW6.1@1381.57,1353.94 SW6.2@1381.57,1846.06
RedButton_LED_B: D1.2 U8.9 | length 3407.6
  Top Layer w15: D1.2@1864.53,1766.65 1872.78,1758.41 1885.41,1758.41 1910,1733.81 1910,1088.83 1926.83,1072 2262,1072 2274,1084 v1(3505,1084) ; U8.9@3332,2063.39 3402.03,2063.39 3403.65,2065 v1(3405,2065)
  Bottom Layer w15: v1(3405,2065) 3405,2025.35 3454.85,1975.5 3455.68,1975.5 3505,1926.18 v1(3505,1084)
RedButton_LED_G: D1.3 U8.8 | length 4050.9
  Top Layer w15: D1.3@1864.53,1723.35 1860.59,1723.35 1852.34,1715.1 1852.34,1711.16 1845,1703.82 1845,1078.31 1873.31,1050 3714.65,1050 3734.34,1069.69 3734.34,1082.99 v1@3734.99,1083.64 ; U8.8@3332,2037.8 3437.03,2037.8 3514.24,2115 v1(3740,2115)
  Bottom Layer w15: v1(3735,1085) 3735,2108.65 3740,2113.65 v1(3740,2115)
RedButton_LED_R: D1.4 U8.7 | length 4268.2
  Top Layer w15: D1.4@1805.47,1723.35 1801.54,1723.35 1793.29,1715.1 1793.29,1711.16 1785,1702.87 1785,1070 1830,1025 3775,1025 3809.52,1059.52 3809.52,1073.17 v1@3810,1073.65 ; U8.7@3332,2012.2 3442.56,2012.2 3520.35,2090 v1(3815,2090)
  Bottom Layer w15: v1(3810,1075) 3810,2083.65 3815,2088.65 v1(3815,2090)
Strikes_LED1: D12.2 U8.18 | length 1997.8
  Top Layer w10: U8.18@3098,2114.57 3100,2116.57 3141.96,2116.57 3145.05,2119.66 v1(3147.76,2119.66) ; v1(3830,2510) 3860,2540 v1(3860,2640) ; v1(3940,3420) 3942.71,3420 3946.45,3423.74 D12.2@4055,3423.74
  Bottom Layer w10: v1(3147.76,2119.66) 3149.67,2121.57 3157.53,2121.57 3233.96,2198 3260,2224.04 3260,2275 3353.25,2368.25 3408.25,2368.25 3465,2425 3485,2425 3570,2510 v1(3830,2510) ; v1(3860,2640) 3860,3340 v1(3940,3420)
Strikes_LED2: D11.2 U8.19 | length 2396.9
  Top Layer w10: U8.19@3098,2088.98 v1(3147.76,2088.98) ; v1(3880,2505) 3880,2615 v1(3900,2635) ; v1(4460,3430) 4460.86,3430 4470.86,3440 4578.74,3440 D11.2@4610,3408.74
  Bottom Layer w10: v1(3147.76,2088.98) 3149.67,2090.89 3160.89,2090.89 3280,2210 3280,2260 3365,2345 3415,2345 3475,2405 3505,2405 3593,2493 3725,2493 3730,2488 3861.64,2488 3878.64,2505 v1(3880,2505) ; v1(3900,2635) 3900,2680 4081.4,2861.4 4081.4,3182.51 4328.89,3430 v1(4460,3430)
Strikes_LED3: D9.2 U8.20 | length 3410.6
  Top Layer w10: U8.20@3098,2063.39 3100,2061.39 3142.64,2061.39 3145.05,2058.98 v1(3147.76,2058.98) ; v1(3900,2435) 3942.5,2477.5 3942.5,2602.5 v1(3985,2645) ; v1(4105,2755) 4945,2755 5355,3165 5355,3395 5260,3490 5118.76,3490 D9.2@5047.5,3418.74
  Bottom Layer w10: v1(3147.76,2058.98) 3149.67,2060.89 3172.38,2060.89 3499.48,2388 3647.89,2388 3711.89,2452 3881.64,2452 3898.64,2435 v1(3900,2435) ; v1(3985,2645) 4093.09,2753.09 4103.09,2753.09 v1(4105,2755)
VBatt: D5.1 PMOS2.2 R30.1 | length 1676.7
  Top Layer w25: v6(3760,3440) 3780.75,3440 3815.75,3475 D5.1@3816.54,3475
  Bottom Layer w20: R30.1@2935,3402.52 2961.66,3429.18 2978.23,3429.18 PMOS2.2@3009,3398.4
  Bottom Layer w25: PMOS2.2@3011,3397.4 3033.94,3420.35 3033.94,3441.06 2840.36,3634.64 2840.36,3670.36 2882.32,3712.32 3650.55,3712.32 3760,3602.87 v6(3760,3440)
Vin: C7.2 J6.2 PMOS1.3 PMOS2.3 U7.3 | length 3237.1
  Top Layer w20: v1(3180,3415) 3225.55,3369.45 U7.3@3225.55,3271.3
  Top Layer w30: U7.3@3225.55,3271.3 3227.78,3269.07 3227.78,3183.48 C7.2@3230,3181.26 ; U7.3@3239.9,3236.28 3271.28,3236.28 3475,3440 3675,3440 3876.07,3641.07 5353.93,3641.07 5586.58,3408.42 J6.2@5586.58,3200.31
  Bottom Layer w20: PMOS2.3@3109,3360 3156.3,3360 ; v1(3180,3415) 3156.3,3391.3 3156.3,3360 ; PMOS1.3@3207,3357.6 3206,3357.6 3203.6,3360 3156.3,3360
Vusb: J7.5 PMOS1.2 R29.1 | length 355.4
  Bottom Layer w15: PMOS1.2@3305,3320.2 3306,3320.2 3309.5,3316.7 3309.5,3315.7 3339.52,3285.68 3351.94,3285.68 3422.64,3356.38 J7.5@3422.64,3550
Wires_LED_B: D2.2 U8.12 | length 2490.1
  Top Layer w15: U8.12@3332,2140.16 3765.16,2140.16 3850,2225 5080,2225 5120,2265 5475,2265 5545,2335 5545,2430 5525,2450 5481.81,2450 5463.46,2431.65 D2.2@5459.53,2431.65
Wires_LED_G: D2.3 U8.13 | length 2295.2
  Top Layer w15: U8.13@3332,2165.75 3735.75,2165.75 3835,2265 5050,2265 5090,2305 5465,2305 5485,2325 5485,2362.87 5471.71,2376.16 5471.71,2380.1 5463.46,2388.35 D2.3@5459.53,2388.35
Wires_LED_R: D2.4 U8.14 | length 2150.1
  Top Layer w15: U8.14@3332,2191.34 3696.34,2191.34 3800,2295 5020,2295 5080,2355 5363.19,2355 5396.54,2388.35 D2.4@5400.47,2388.35
WiresButts_Mux2A: U1.16 U3.1 | length 1371.3
  Top Layer w10: U1.16@2344.21,1841 2344.21,1894.21 v1(2445,1995) ; U3.1@2535.43,2844 2535,2843.57 2535,2715 2785,2465 2785,2345 2745,2305 v1(2605,2305)
  Bottom Layer w10: v1(2445,1995) 2446.91,1996.91 2446.91,2006.91 2605,2165 v1(2605,2305)
WiresButts_Mux8A: U1.13 U2.11 | length 1610.7
  Top Layer w10: U1.13@2403.27,1841 2403.27,1883.72 2513.9,1994.36 2795.64,1994.36 2965,1825 2965,1445 3115.64,1294.36 3214.36,1294.36 3286.61,1366.61 U2.11@3382.99,1366.61
WiresButts_Mux8B: U1.12 U2.10 | length 1471
  Top Layer w10: U1.12@2461,1783.27 2518.27,1783.27 2630,1895 2845,1895 2927,1813 2927,1438 3088.64,1276.36 3246.36,1276.36 3311.02,1341.02 U2.10@3382.99,1341.02
WiresButts_Mux8C: U1.11 U2.9 | length 1447.1
  Top Layer w10: U1.11@2461,1763.58 2534.04,1763.58 2635.46,1865 2830,1865 2895,1800 2895,1444.54 3081.18,1258.36 3253.82,1258.36 3310.46,1315 3382.56,1315 U2.9@3382.99,1315.43
WiresButts_Probe2: U1.15 U3.4 | length 1314.2
  Top Layer w10: U1.15@2363.9,1841 2364.4,1841.5 2364.4,1879.4 v1(2425,1940) ; U3.4@2612.2,2844 2612.2,2701.84 2810,2504.04 2810,2339.04 2745.96,2275 v1(2670,2275)
  Bottom Layer w10: v1(2425,1940) 2670,2185 v1(2670,2275)
WiresButts_Probe8: U1.14 U2.3 | length 1097.4
  Top Layer w10: v1(2365,1740) 2365,1770.56 2383.58,1789.14 U1.14@2383.58,1841 ; v1(3005,1445) 3005.81,1444.19 3156.2,1444.19 U2.3@3157.01,1443.39
  Bottom Layer w10: v1(2365,1740) 2365,1613.89 2533.89,1445 v1(3005,1445)
pads on no net: D3.2 DS2.10 DS2.11 DS2.12 DS2.13 DS2.14 DS2.15 DS2.16 DS2.17 J7.2 J8.9 SW5.4 SW5.5 SW7.SH1 SW7.SH2 U1.40 U3.5 U3.6 U3.7 U3.9 U3.10 U3.11 U3.12 U3.13 U3.14 U5.2 U5.4 U6.17 U8.23 U8.24 U9.4 U9.6
copper on no net:
  other v2: 1120,1120 5975,1120 1120,3635 5975,3635

## Polygon pours and split planes (outlines as drawn)
GND on Bottom Layer "GND_L04_P001" (solid, pour order 1): 1000,3755 1000,1000 6095,1000 6095,3755
GND on Top Layer "GND_L01_P000" (solid, remove dead copper, pour order 0): 1000,3755 1000,1000 6095,1000 6095,3755
GND on GroundGND (split plane): 6074.9,1020.1 1020.1,1020.1 1020.1,3734.9 6074.9,3734.9
+3V3 on Power3V3 (split plane): 6074.9,1020.1 1020.1,1020.1 1020.1,3734.9 6074.9,3734.9

## Silkscreen, mask and mechanical layers (free items; w line width, h text height)
Top Overlay:
  drawing of 45 lines, arcs and shapes, not listed
  text "Serial#" at 5440,3430 h90
  text "4T3G8B9" at 5415,3290 h90
  text "Maze" at 1045,3230 h60
  text "Battery" at 5670,2529.99 h60
  text "Wires->" at 4935,2380 h60
  text "+" at 6091.66,2235 h100 r90
  text "-" at 6094.98,2025 h100 r90
  text "+" at 6091.66,1705 h100 r90
  text "Ext." at 6070,1460 h50 r90
  text "DIO" at 2003,1342 h30 r90
  text "CLK" at 2068,1342 h30 r90
  text "SWO" at 2123,1342 h30 r90
  text "JTDI" at 2178,1342 h30 r90
  text "NRST" at 2233,1337 h30 r90
  text "Press Me!" at 1130,1295 h80 r90
  text "-" at 6089.98,1290 h100 r90
  text "GND" at 2047,1047 h30
  text "3V3" at 1926.4,1014.8 h30 r36.87
Bottom Overlay:
  drawing of 33424 lines, arcs and shapes, not listed
  text "-" at 4385,3749.98 h100 r180
  text "+" at 3815,3736.66 h100 r180
  text "USB OFF BATT" at 2595,3670 h60
  text "Bypass" at 5840,3519.99 h60
  text "Battery" at 4285,3264.99 h60
  text "-" at 5825,3039.98 h100 r180
  text "+" at 5626.66,2945 h100 r90
  text "Vikram Procter 07/2025" at 5270,2790 h120

## Text inside footprints (layer, text, board x,y; h text height)
LS1: Top Overlay "+" at 5585,2700 h50.1 r90; Top Overlay "-" at 5585,2965 h50.08 r90
U1: Top Overlay "*" at 2527.5,1566.89 h50 r180; Mechanical 13 "*" at 2527.5,1566.89 h50 r180
U3: Top Overlay "*" at 2526.43,2821.5 h50 r90; Mechanical 13 "*" at 2526.43,2821.5 h50 r90
U4: Top Overlay "*" at 3283,2396.25 h50 r90; Mechanical 13 "*" at 3331,2454 h50 r90
U6: Top Overlay "*" at 1803.5,2742.66 h50 r180; Mechanical 13 "*" at 1743,2771 h50 r180
U8: Top Overlay "*" at 3354.5,1849.66 h50 r180; Mechanical 13 "*" at 3306,1894.66 h50 r180
U9: Mechanical 13 "*" at 3698,3341 h50 r180; Bottom Overlay "*" at 3651.25,3294.6 h50 r180